# Altium PCB node24.PcbDoc (part 2 of 10) (continued)
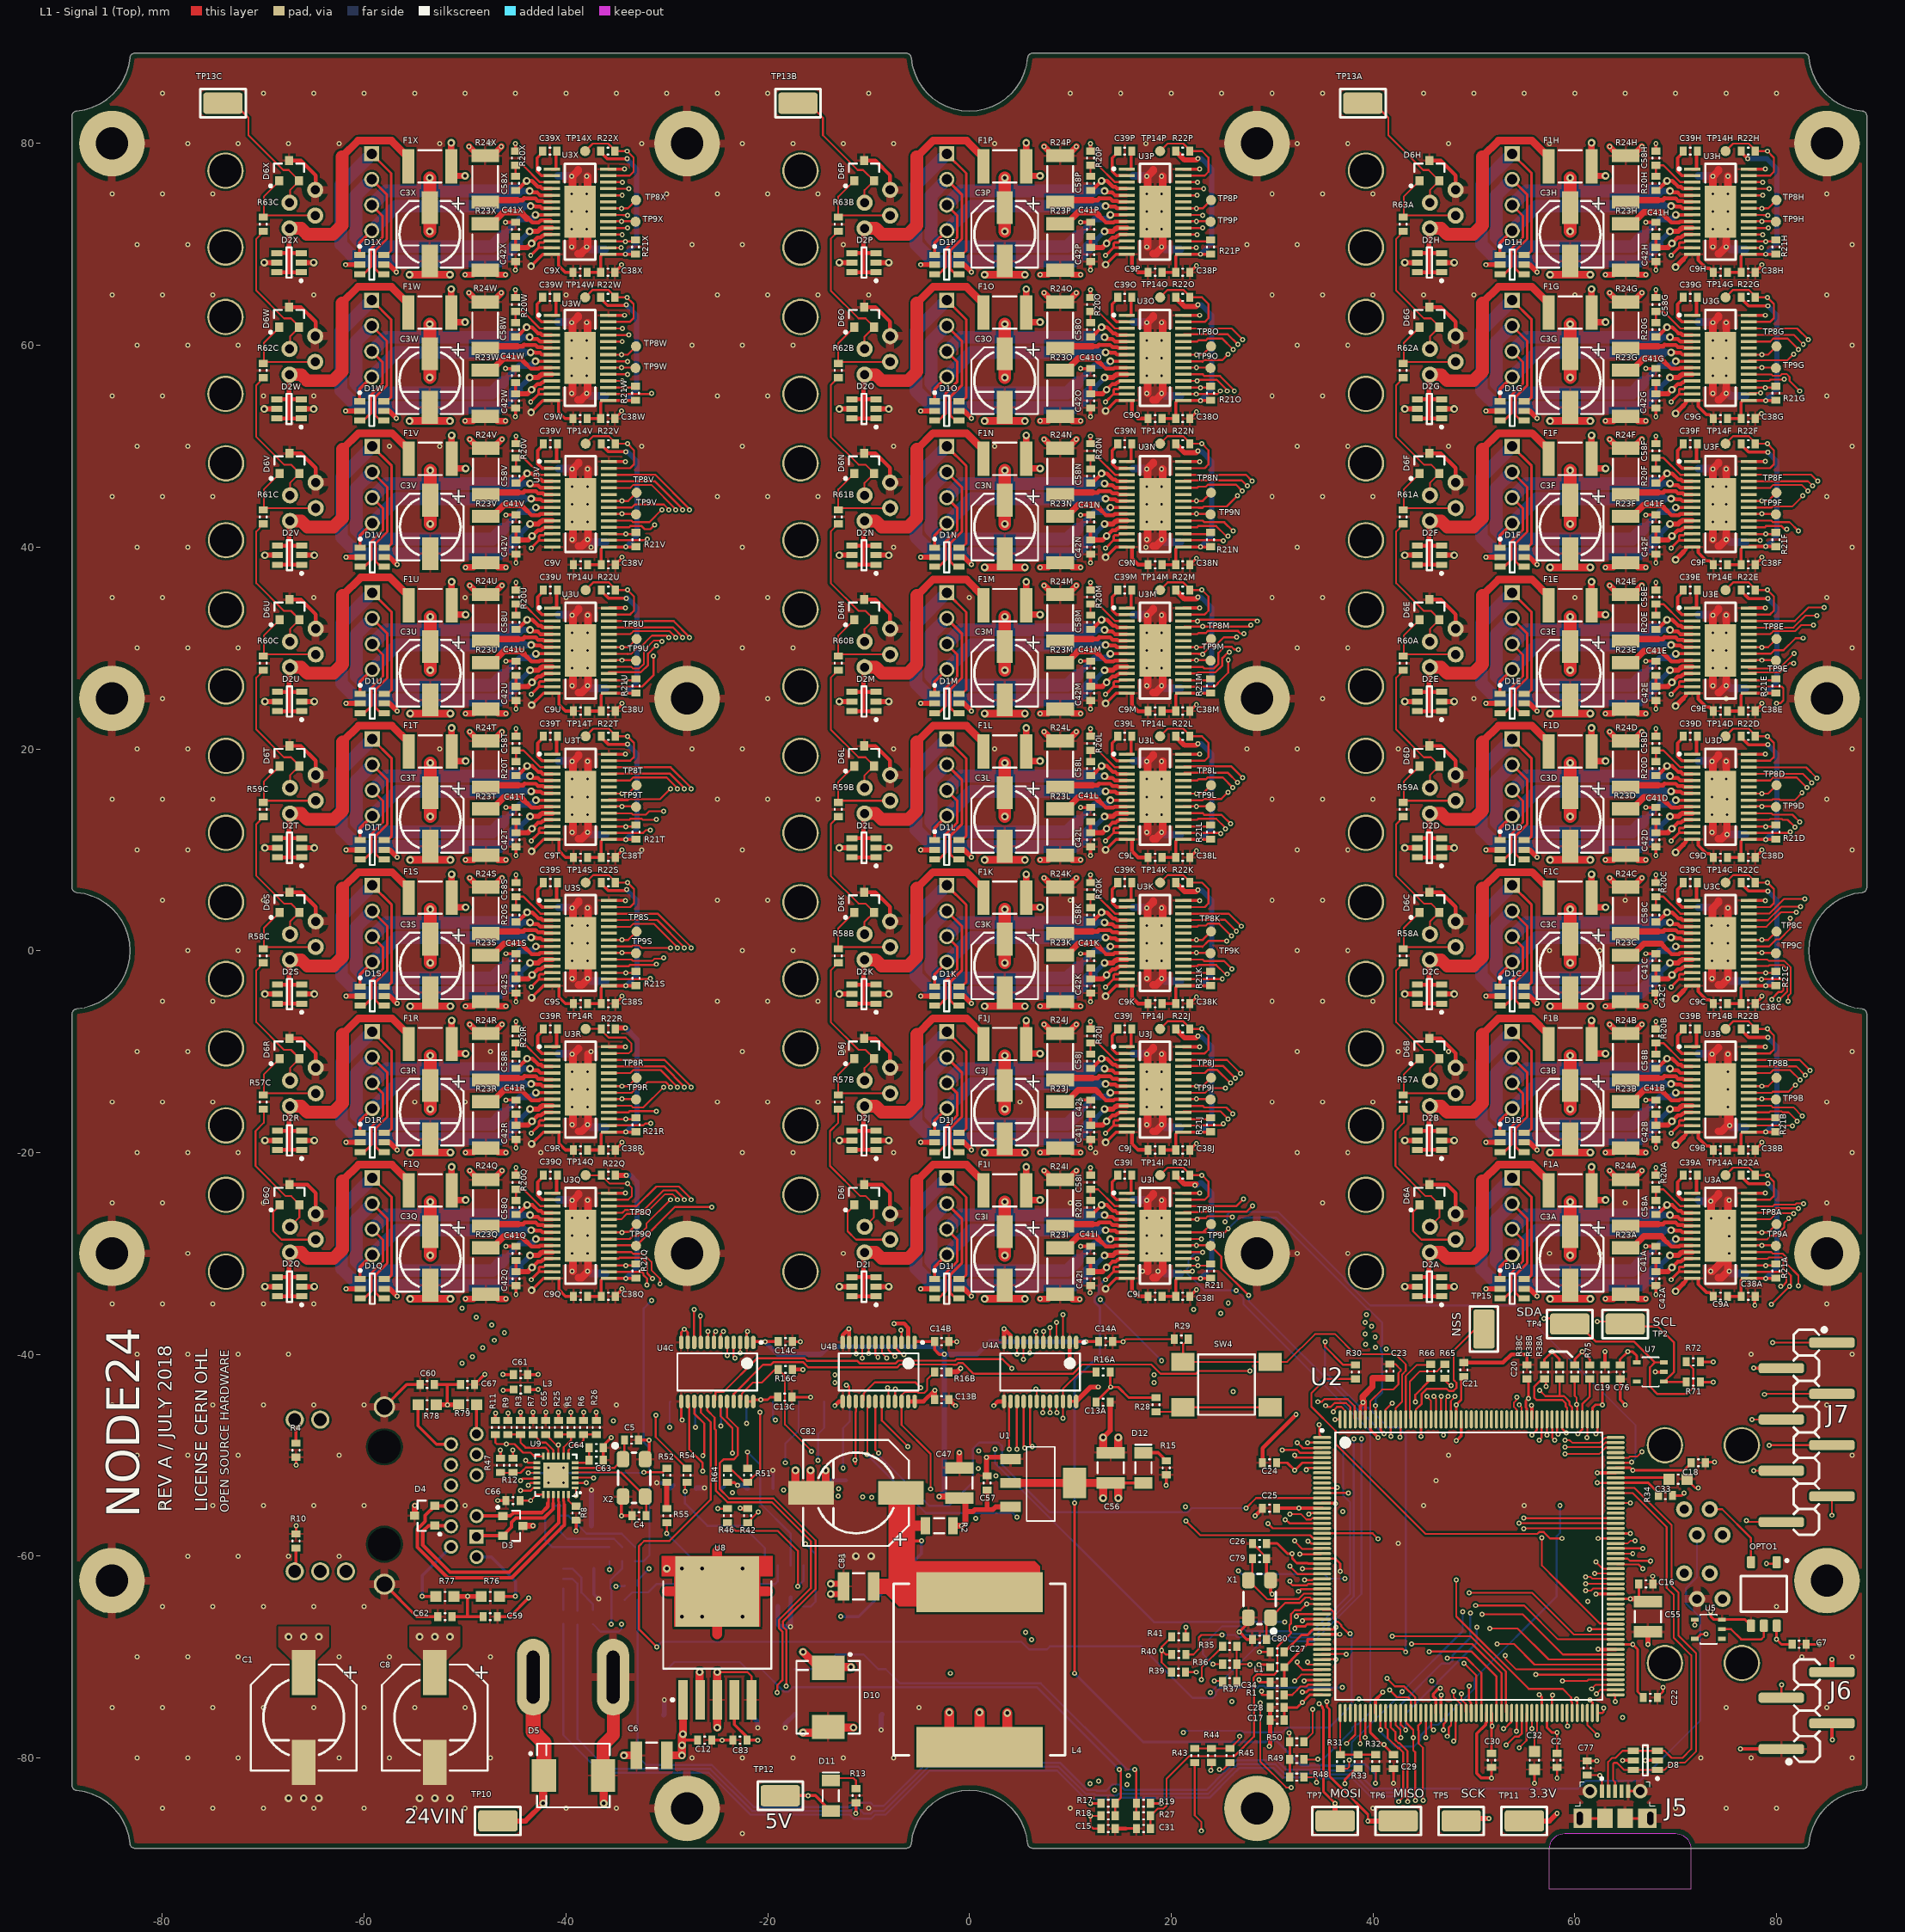
[diagram p0: L1 - Signal 1 (Top) view]
## Components (designator, comment, footprint, x,y, rotation, side; value= is the part's Value field where it differs from the comment) (continued)
R65 "JMP 0603" RESC0603(1608)_L 47.117,-41.688 r270 top value="0.00 Ohm"
R66 "JMP 0603" RESC0603(1608)_L 45.72,-41.688 r270 top value="0.00 Ohm"
R67 "49R9" RESC0603(1608)_L -37.338,-66.04 r270 bottom value="49.90 Ohm"
R68 "49R9" RESC0603(1608)_L -35.687,-59.817 r270 bottom value="49.90 Ohm"
R69 "100R" RESC0603(1608)_L -33.147,-59.817 r90 bottom value="100.00 Ohm"
R70 "220R" RESC0603(1608)_L -34.417,-59.817 r270 bottom value="220.00 Ohm"
R71 "3K3 5% 0603" RESC0603(1608)_L 71.75,-42.75 r0 top value="3300.00 Ohm"
R72 "3K3 5% 0603" RESC0603(1608)_L 71.75,-40.75 r0 top value="3300.00 Ohm"
R73 "100R" RESC0603(1608)_L -38.862,-66.102 r90 bottom value="100.00 Ohm"
R74 "220R" RESC0603(1608)_L -40.259,-66.04 r270 bottom value="220.00 Ohm"
R75 "100K" RESC0603(1608)_L 61.5,-41.75 r90 top value="100000.00 Ohm"
R76 "75R 1% 0603(1608)" RESC0603(1608)_M -47.5,-64 r0 top value=75
R77 "75R 1% 0603(1608)" RESC0603(1608)_M -52,-64 r180 top value=75
R78 "75R 1% 0603(1608)" RESC0603(1608)_M -53.75,-45 r180 top value=75
R79 "75R 1% 0603(1608)" RESC0603(1608)_M -49.75,-45 r0 top value=75
SW1 "SWITCH_CTS_DIP_8BIT_SMD_219-8LPST" SWITCH_DIP_CTS_8-BIT_219-8LPST -20.75,-49 r180 bottom locked
SW2 "SWITCH_CK_TACTILE_SPST_SMD_PTS645SM43SMTR92LFS" SWITCH_CK_TACT_PTS645SM43SMTR92 -26,-73.5 r180 bottom locked
SW3 "SWITCH_CK_TACTILE_SPST_SMD_PTS645SM43SMTR92LFS" SWITCH_CK_TACT_PTS645SM43SMTR92 -13,-73.45 r180 bottom locked
SW4 "SWITCH_CK_TACTILE_SPST_SMD_PTS645SM43SMTR92LFS" SWITCH_CK_TACT_PTS645SM43SMTR92 25.5,-43 r0 top
TP2 "TEST_POINT_KEYSTONE_5019_SMT" TEST_POINT_KEYSTONE_5019 65,-37 r180 top
TP4 "TEST_POINT_KEYSTONE_5019_SMT" TEST_POINT_KEYSTONE_5019 59.5,-37 r180 top
TP5 "TEST_POINT_KEYSTONE_5019_SMT" TEST_POINT_KEYSTONE_5019 48.75,-86.25 r180 top
TP6 "TEST_POINT_KEYSTONE_5019_SMT" TEST_POINT_KEYSTONE_5019 42.5,-86.25 r180 top
TP7 "TEST_POINT_KEYSTONE_5019_SMT" TEST_POINT_KEYSTONE_5019 36.25,-86.25 r0 top
TP8A "STP" TP_1MM 80,-27.1 r90 top (schematic designator TP8)
TP8B "STP" TP_1MM 80,-12.6 r90 top (schematic designator TP8)
TP8C "STP" TP_1MM 80,1.9 r90 top (schematic designator TP8)
TP8D "STP" TP_1MM 80,16.4 r90 top (schematic designator TP8)
TP8E "STP" TP_1MM 80,30.9 r90 top (schematic designator TP8)
TP8F "STP" TP_1MM 80,45.4 r90 top (schematic designator TP8)
TP8G "STP" TP_1MM 80,59.9 r90 top (schematic designator TP8)
TP8H "STP" TP_1MM 80,74.4 r90 top (schematic designator TP8)
TP8I "STP" TP_1MM 23.95,-27.1 r90 top (schematic designator TP8)
TP8J "STP" TP_1MM 23.95,-12.6 r90 top (schematic designator TP8)
TP8K "STP" TP_1MM 23.95,1.9 r90 top (schematic designator TP8)
TP8L "STP" TP_1MM 23.95,16.4 r90 top (schematic designator TP8)
TP8M "STP" TP_1MM 23.95,30.9 r90 top (schematic designator TP8)
TP8N "STP" TP_1MM 23.95,45.4 r90 top (schematic designator TP8)
TP8O "STP" TP_1MM 23.95,59.9 r90 top (schematic designator TP8)
TP8P "STP" TP_1MM 23.95,74.4 r90 top (schematic designator TP8)
TP8Q "STP" TP_1MM -33,-27.1 r90 top (schematic designator TP8)
TP8R "STP" TP_1MM -33,-12.6 r90 top (schematic designator TP8)
TP8S "STP" TP_1MM -33,1.9 r90 top (schematic designator TP8)
TP8T "STP" TP_1MM -33,16.4 r90 top (schematic designator TP8)
TP8U "STP" TP_1MM -33,30.9 r90 top (schematic designator TP8)
TP8V "STP" TP_1MM -33,45.4 r90 top (schematic designator TP8)
TP8W "STP" TP_1MM -33.05,59.9 r90 top (schematic designator TP8)
TP8X "STP" TP_1MM -33.05,74.4 r90 top (schematic designator TP8)
TP9A "DIR" TP_1MM 79.95,-29.25 r90 top (schematic designator TP9)
TP9B "DIR" TP_1MM 79.95,-14.75 r90 top (schematic designator TP9)
TP9C "DIR" TP_1MM 79.95,-0.25 r90 top (schematic designator TP9)
TP9D "DIR" TP_1MM 79.95,14.25 r90 top (schematic designator TP9)
TP9E "DIR" TP_1MM 79.95,28.75 r90 top (schematic designator TP9)
TP9F "DIR" TP_1MM 79.95,43.25 r90 top (schematic designator TP9)
TP9G "DIR" TP_1MM 79.95,57.75 r90 top (schematic designator TP9)
TP9H "DIR" TP_1MM 79.95,72.25 r90 top (schematic designator TP9)
TP9I "DIR" TP_1MM 23.9,-29.25 r90 top (schematic designator TP9)
TP9J "DIR" TP_1MM 23.9,-14.75 r90 top (schematic designator TP9)
TP9K "DIR" TP_1MM 23.9,-0.25 r90 top (schematic designator TP9)
TP9L "DIR" TP_1MM 23.9,14.25 r90 top (schematic designator TP9)
TP9M "DIR" TP_1MM 23.9,28.75 r90 top (schematic designator TP9)
TP9N "DIR" TP_1MM 23.9,43.25 r90 top (schematic designator TP9)
TP9O "DIR" TP_1MM 23.9,57.75 r90 top (schematic designator TP9)
TP9P "DIR" TP_1MM 23.9,72.25 r90 top (schematic designator TP9)
TP9Q "DIR" TP_1MM -33.05,-29.25 r90 top (schematic designator TP9)
TP9R "DIR" TP_1MM -33.05,-14.75 r90 top (schematic designator TP9)
TP9S "DIR" TP_1MM -33.05,-0.25 r90 top (schematic designator TP9)
TP9T "DIR" TP_1MM -33.05,14.25 r90 top (schematic designator TP9)
TP9U "DIR" TP_1MM -33.05,28.75 r90 top (schematic designator TP9)
TP9V "DIR" TP_1MM -33.05,43.25 r90 top (schematic designator TP9)
TP9W "DIR" TP_1MM -33.1,57.75 r90 top (schematic designator TP9)
TP9X "DIR" TP_1MM -33.1,72.25 r90 top (schematic designator TP9)
TP10 "TEST_POINT_KEYSTONE_5019_SMT" TEST_POINT_KEYSTONE_5019 -46.75,-86.25 r180 top
TP11 "TEST_POINT_KEYSTONE_5019_SMT" TEST_POINT_KEYSTONE_5019 55,-86.25 r0 top
TP12 "TEST_POINT_KEYSTONE_5019_SMT" TEST_POINT_KEYSTONE_5019 -18.75,-83.75 r180 top
TP13A "TEST_POINT_KEYSTONE_5019_SMT" TEST_POINT_KEYSTONE_5019 39,84 r0 top (schematic designator TP13)
TP13B "TEST_POINT_KEYSTONE_5019_SMT" TEST_POINT_KEYSTONE_5019 -17,84 r0 top (schematic designator TP13)
TP13C "TEST_POINT_KEYSTONE_5019_SMT" TEST_POINT_KEYSTONE_5019 -74,84 r0 top (schematic designator TP13)
TP14A "HOME" TP_1MM 74.95,-22.25 r0 top (schematic designator TP14)
TP14B "HOME" TP_1MM 74.95,-7.75 r0 top (schematic designator TP14)
TP14C "HOME" TP_1MM 74.95,6.75 r0 top (schematic designator TP14)
TP14D "HOME" TP_1MM 74.95,21.25 r0 top (schematic designator TP14)
TP14E "HOME" TP_1MM 74.95,35.75 r0 top (schematic designator TP14)
TP14F "HOME" TP_1MM 74.95,50.25 r0 top (schematic designator TP14)
TP14G "HOME" TP_1MM 74.95,64.75 r0 top (schematic designator TP14)
TP14H "HOME" TP_1MM 74.95,79.25 r0 top (schematic designator TP14)
TP14I "HOME" TP_1MM 18.9,-22.25 r0 top (schematic designator TP14)
TP14J "HOME" TP_1MM 18.9,-7.75 r0 top (schematic designator TP14)
TP14K "HOME" TP_1MM 18.9,6.75 r0 top (schematic designator TP14)
TP14L "HOME" TP_1MM 18.9,21.25 r0 top (schematic designator TP14)
TP14M "HOME" TP_1MM 18.9,35.75 r0 top (schematic designator TP14)
TP14N "HOME" TP_1MM 18.9,50.25 r0 top (schematic designator TP14)
TP14O "HOME" TP_1MM 18.9,64.75 r0 top (schematic designator TP14)
TP14P "HOME" TP_1MM 18.9,79.25 r0 top (schematic designator TP14)
TP14Q "HOME" TP_1MM -38.05,-22.25 r0 top (schematic designator TP14)
TP14R "HOME" TP_1MM -38.05,-7.75 r0 top (schematic designator TP14)
TP14S "HOME" TP_1MM -38.05,6.75 r0 top (schematic designator TP14)
TP14T "HOME" TP_1MM -38.05,21.25 r0 top (schematic designator TP14)
TP14U "HOME" TP_1MM -38.05,35.75 r0 top (schematic designator TP14)
TP14V "HOME" TP_1MM -38.05,50.25 r0 top (schematic designator TP14)
TP14W "HOME" TP_1MM -38.1,64.75 r0 top (schematic designator TP14)
TP14X "HOME" TP_1MM -38.1,79.25 r0 top (schematic designator TP14)
TP15 "TEST_POINT_KEYSTONE_5019_SMT" TEST_POINT_KEYSTONE_5019 51,-37.5 r90 top
U1 "LD1117S50TR" SOT-223 7.25,-52.75 r0 top
U2 "STM32F765BIT6" QFP208L_B28X28_P0MM5 49.5,-61 r0 top locked
U3A "IC_PMIC_TI_DRV8825PWPR" IC_TSSOP28_0MM65_EP52X31 74.45,-28.25 r0 top (schematic designator U3)
U3B "IC_PMIC_TI_DRV8825PWPR" IC_TSSOP28_0MM65_EP52X31 74.45,-13.75 r0 top (schematic designator U3)
U3C "IC_PMIC_TI_DRV8825PWPR" IC_TSSOP28_0MM65_EP52X31 74.45,0.75 r0 top (schematic designator U3)
U3D "IC_PMIC_TI_DRV8825PWPR" IC_TSSOP28_0MM65_EP52X31 74.45,15.25 r0 top (schematic designator U3)
U3E "IC_PMIC_TI_DRV8825PWPR" IC_TSSOP28_0MM65_EP52X31 74.45,29.75 r0 top (schematic designator U3)
U3F "IC_PMIC_TI_DRV8825PWPR" IC_TSSOP28_0MM65_EP52X31 74.45,44.25 r0 top (schematic designator U3)
U3G "IC_PMIC_TI_DRV8825PWPR" IC_TSSOP28_0MM65_EP52X31 74.45,58.75 r0 top (schematic designator U3)
U3H "IC_PMIC_TI_DRV8825PWPR" IC_TSSOP28_0MM65_EP52X31 74.45,73.25 r0 top (schematic designator U3)
U3I "IC_PMIC_TI_DRV8825PWPR" IC_TSSOP28_0MM65_EP52X31 18.4,-28.25 r0 top (schematic designator U3)
U3J "IC_PMIC_TI_DRV8825PWPR" IC_TSSOP28_0MM65_EP52X31 18.4,-13.75 r0 top (schematic designator U3)
U3K "IC_PMIC_TI_DRV8825PWPR" IC_TSSOP28_0MM65_EP52X31 18.4,0.75 r0 top (schematic designator U3)
U3L "IC_PMIC_TI_DRV8825PWPR" IC_TSSOP28_0MM65_EP52X31 18.4,15.25 r0 top (schematic designator U3)
U3M "IC_PMIC_TI_DRV8825PWPR" IC_TSSOP28_0MM65_EP52X31 18.4,29.75 r0 top (schematic designator U3)
U3N "IC_PMIC_TI_DRV8825PWPR" IC_TSSOP28_0MM65_EP52X31 18.4,44.25 r0 top (schematic designator U3)
U3O "IC_PMIC_TI_DRV8825PWPR" IC_TSSOP28_0MM65_EP52X31 18.4,58.75 r0 top (schematic designator U3)
U3P "IC_PMIC_TI_DRV8825PWPR" IC_TSSOP28_0MM65_EP52X31 18.4,73.25 r0 top (schematic designator U3)
U3Q "IC_PMIC_TI_DRV8825PWPR" IC_TSSOP28_0MM65_EP52X31 -38.55,-28.25 r0 top (schematic designator U3)
U3R "IC_PMIC_TI_DRV8825PWPR" IC_TSSOP28_0MM65_EP52X31 -38.55,-13.75 r0 top (schematic designator U3)
U3S "IC_PMIC_TI_DRV8825PWPR" IC_TSSOP28_0MM65_EP52X31 -38.55,0.75 r0 top (schematic designator U3)
U3T "IC_PMIC_TI_DRV8825PWPR" IC_TSSOP28_0MM65_EP52X31 -38.55,15.25 r0 top (schematic designator U3)
U3U "IC_PMIC_TI_DRV8825PWPR" IC_TSSOP28_0MM65_EP52X31 -38.55,29.75 r0 top (schematic designator U3)
U3V "IC_PMIC_TI_DRV8825PWPR" IC_TSSOP28_0MM65_EP52X31 -38.55,44.25 r0 top (schematic designator U3)
U3W "IC_PMIC_TI_DRV8825PWPR" IC_TSSOP28_0MM65_EP52X31 -38.6,58.75 r0 top (schematic designator U3)
U3X "IC_PMIC_TI_DRV8825PWPR" IC_TSSOP28_0MM65_EP52X31 -38.6,73.25 r0 top (schematic designator U3)
U4A "74LVC4245AD,118" IC_TSSOP-24 7,-41.75 r270 top (schematic designator U4)
U4B "74LVC4245AD,118" IC_TSSOP-24 -9,-41.75 r270 top (schematic designator U4)
U4C "74LVC4245AD,118" IC_TSSOP-24 -25,-41.75 r270 top (schematic designator U4)
U5 "LOGIC_INVERTER_SN74LVC1G14DBVR" SOT-23-5L 73.25,-67.25 r180 top
U7 "IC EEPROM 2K I2C 400KHZ SOT23-5" SOT-23-5L 67.5,-41.75 r180 top
U8 "DCDC_TI_BUCK_REG_5V_3A_40VIN_D2PAK_LM2576SX-5.0/NOPB" D2PAK_TO-263-6 -25,-68 r90 top locked
U9 "LAN8742A-CZ-TR" QFN24_B4X4_P0MM5_EP -41,-52 r180 top
X1 "XTAL_8MHz_4SMD_18PF_20PPM_ECS-80-18-30B-JEM-TR" XTAL_4SMD_5x3mm2 28.75,-64.25 r90 top
X2 "XTAL_25MHz_18PF_4SMD_100PPM_AUTOMOTIVE_ECS-250-18-30BQ-DS" XTAL_4SMD_5x3mm2 -33.25,-52.25 r270 top

## Footprints (in the part's own frame and the unit in brackets; to place one, negate y for a bottom-side part, rotate by r counter-clockwise, add the part's x,y. Pads: shape width x height; smd on the part's side, far side on the other; paste and mask are expansions set on the pad)
0603L [mil] "Bead 0603L"
  rect 30x30 smd: 1(27.5,0) 2(-27.5,0)
  silkscreen extent -2,-16 2,16, body extent -34,-19 34,19, height 24
1210C [mm] "Chip Capacitor, Body 3.2x1.6mm, Height 1mm, IPC Medium Density"
  rect 1.15x2.8 smd: 1(-1.5,0) 2(1.5,0)
  silkscreen extent -0.55,-1.3 0.55,1.3, body extent -1.7,-1.25 1.7,1.25, height 1
BELS-L829-1J1T-43_V [mm] "THD, 19-Leads, Body 23.94x17.58mm, Pitch 2.03mm"
  rect 1.4x1.4 hole 0.89: 1(4.064,-9.144)
  round 1.4 hole 0.89: 2(6.096,-9.144) 3(2.032,-9.144) 4(1.016,-6.604) 5(5.08,-6.604) 6(3.048,-6.604) 7(-1.016,-6.604) 8(-5.08,-6.604) 9(-3.048,-6.604) 10(-4.064,-9.144) 11(-6.096,-9.144) 12(-2.032,-9.144)
  round 1.8 hole 1.27: 13(-7.518,6.35) 14(-7.518,8.89) 15(7.518,3.81) 16(7.518,6.35) 17(7.518,8.89)
  round 2.95 hole 3.25 unplated: MH1(-4.826,0) MH2(4.826,0)
  round 2.1 hole 1.57: S1(-8.788,0) S2(8.788,0)
  silkscreen extent -8.79,-10.8 8.79,13.2, body extent -10.35,-10.8 10.35,13.2, height 12.74
CAP1210 [mm]
  rect 1.15x2.7 smd: 1(-1.501,-0.001) 2(1.499,-0.001)
  silkscreen extent -0.55,-1.25 0.55,1.25, body extent -1.7,-1.4 1.7,1.4, height 1.8
CAPAE_D6MM3 [mm] "Aluminum Electrolytic Capacitor, Body 6.50x6.50x7.70mm, IPC Medium Density"
  rect 3.25x1.6 smd: 1(-2.65,0) 2(2.65,0)
  silkscreen extent -3.3,-3.3 3.3,3.3, body extent -3.3,-3.3 3.3,3.3, height 7.7
CAPAE_D10_BH10MM3 [mm] "Aluminum Electrolytic Capacitor, Body 10.30x10.30x10.30mm, IPC Low Density"
  rect 4.5x2.35 smd: 1(-4.45,0) 2(4.45,0)
  silkscreen extent -5.25,-5.25 5.25,5.25, body extent -5.25,-5.25 5.25,5.25, height 10.3
CAPC0603(1608)100_L [mm] "Chip Capacitor, Body 1.6x0.8mm, Height 1.0mm, IPC High Density"
  rect 0.7x0.9 smd: 1(-0.7,0) 2(0.7,0)
  silkscreen extent -0.05,-0.35 0.05,0.35, body extent -0.87,-0.47 0.88,0.48, height 1
CAPC0603(1608)100_M [mm] "Chip Capacitor, Body 1.6x0.8mm, Height 1.0mm, IPC Low Density"
  rect 1.1x1.1 smd: 1(-0.9,0) 2(0.9,0)
  silkscreen extent -0.05,-0.45 0.05,0.45, body extent -0.87,-0.47 0.88,0.48, height 1
CON_JACK_MOD_4P4C_ASSMANN_A-2014-3-4-N-T-R [mm]
  round 1.6 hole 0.9: 1(1.905,-6.35) 2(0.635,-8.89) 3(-0.635,-6.35) 4(-1.905,-8.89)
  round 3.6 hole 3.2: MECH(-3.81,0) MECH(3.81,0)
  silkscreen extent -7,-10 7,6.5, body extent -7,-10.07 7,6.47, height 16.45
CONN_ANDERSON_POWERPOLE_45_HOUSING_STACKED_RATH [mil]
  oval 125x300 hole 50 slot 206 at 90 deg: 1(0,0) 2(-312,0)
  silkscreen extent 128,-167 1102,167, body extent 128,-167 1096,167, height 679
CONN_MOLEX_USB_MICRO_B_SMD_RA_1050170001 [mm] "USB Micro-B Connector"
  rect 0.4x1.35 smd: 1(-1.3,0) 2(-0.65,0) 3(0,0) 4(0.65,0) 5(1.3,0)
  round 1.45 hole 0.85: 6(-2.5,0) 11(2.5,0)
  rect 1.8x1.9 hole 0.6 slot 1.3 at 90 deg copper offset 0.3,0: 7(-3.5,-2.7)
  rect 1.5x1.9 smd: 8(-1,-2.7) 9(1,-2.7)
  rect 1.8x1.9 hole 0.6 slot 1.3 at 90 deg copper offset -0.3,0: 10(3.5,-2.7)
  silkscreen extent -3.95,-1.46 3.95,1.37, body extent -4.1,-5.21 4.1,0.19, height 2.58
CONN_SAMTEC_HDR_50MIL_10POS_SHRD_SM_SHF-105-01-L-D-SM [mil]
  rrect50% 29x110 smd mask+2: 1(-100,-80) 2(-100,80) 3(-50,-80) 4(-50,80) 5(0,-80) 6(0,80) 7(50,-80) 8(50,80) 9(100,-80) 10(100,80)
  silkscreen extent -250,-124 250,120, body extent -250,-120 250,120, height 218
D2PAK_TO-263-6 [mm] "DPAK, 5-Leads, Body 10.16x8.925mm, Pitch 1.7mm, IPC High Density"
  rect 3.9x0.95 smd: 1(-6.25,3.4) 2(-6.25,1.7) 3(-6.25,0) 4(-6.25,-1.7) 5(-6.25,-3.4)
  rect 7x8.33 smd: 6(4.5,0)
  L1 - Signal 1 (Top) region: 8,5.5 6,5.5 6,4.25 1,4.25 1,-4.25 6,-4.25 6,-5.5 8,-5.5
  L1 - Signal 1 (Top) region: 8,-6.75
  silkscreen extent -6.37,-5.35 5.5,5.35, body extent -7.76,-5.1 7.66,5.1, height 4.67
DIODE_SMC [mm] "Molded Diode, 2-Leads, Body 7.10x6.20mm, IPC Medium Density"
  rect 2.4x3.25 smd: 1(-2.925,0) 2(2.925,0)
  silkscreen extent -3.6,-3.15 4.37,3.15, body extent -3.97,-2.95 3.98,2.95, height 2.31
FUSE_1812 [mm] "Chip Resistor, 2-Leads, Body 4.55x3.24mm, IPC Medium Density"
  rect 1.2x3.4 smd: 1(-2.125,0) 2(2.125,0)
  silkscreen extent -1.15,-1.6 1.15,1.6, body extent -2.36,-1.74 2.37,1.74, height 1.03
HDR_1x4_2R54_V_M [mm] "Male Header, Pitch 2.54mm, 4x1 Position, Mated Height 6mm, Tail Length 3mm"
  rect 1.5x1.5 hole 1.02: 1(0,0)
  round 1.5 hole 1.02: 2(2.54,0) 3(5.08,0) 4(7.62,0)
  silkscreen extent -1.27,-1.27 8.89,1.76, body extent -1.27,-1.27 8.89,1.27, height 9
HDR_1X4_2R54_V_M_SMT [mm]
  rrect50% 4.506x1 smd: 1(2.54,3.81) 2(-2.48,1.27) 3(2.54,-1.27) 4(-2.48,-3.81)
  silkscreen extent -1.27,-5.08 1.96,5.26, body extent -3.75,-5.09 3.75,5.07, height 9.92
HDR_1X8_2R54_V_M_SMT [mm]
  rrect50% 4.506x1 smd: 1(2.54,8.89) 2(-2.48,6.35) 3(2.54,3.81) 4(-2.48,1.27) 5(2.54,-1.27) 6(-2.48,-3.81) 7(2.54,-6.35) 8(-2.48,-8.89)
  silkscreen extent -1.27,-10.16 1.96,10.34, body extent -3.69,-10.16 3.81,10.16, height 9.93
IC_TSSOP28_0MM65_EP52X31 [mm]
  rect 1.6x0.3 smd: 1(-2.8,4.225) 2(-2.8,3.575) 3(-2.8,2.925) 4(-2.8,2.275) 5(-2.8,1.625) 6(-2.8,0.975) 7(-2.8,0.325) 8(-2.8,-0.325) 9(-2.8,-0.975) 10(-2.8,-1.625) 11(-2.8,-2.275) 12(-2.8,-2.925) 13(-2.8,-3.575) 14(-2.8,-4.225) 15(2.8,-4.225) 16(2.8,-3.575) 17(2.8,-2.925) 18(2.8,-2.275) 19(2.8,-1.625) 20(2.8,-0.975) 21(2.8,-0.325) 22(2.8,0.325) 23(2.8,0.975) 24(2.8,1.625) 25(2.8,2.275) 26(2.8,2.925) 27(2.8,3.575) 28(2.8,4.225)
  rect 3.1x5.18 smd: 29(0,0)
  silkscreen extent -4.22,-4.75 1.5,4.75, body extent -3.2,-4.85 3.2,4.85, height 1.2
IC_TSSOP-24 [mm] "TSOP, 24-Leads, Body 7.80x4.40mm, Pitch 0.65mm, IPC Medium Density"
  oval 1.35x0.45 smd: 1(-2.925,3.575) 2(-2.925,2.925) 3(-2.925,2.275) 4(-2.925,1.625) 5(-2.925,0.975) 6(-2.925,0.325) 7(-2.925,-0.325) 8(-2.925,-0.975) 9(-2.925,-1.625) 10(-2.925,-2.275) 11(-2.925,-2.925) 12(-2.925,-3.575) 13(2.925,-3.575) 14(2.925,-2.925) 15(2.925,-2.275) 16(2.925,-1.625) 17(2.925,-0.975) 18(2.925,-0.325) 19(2.925,0.325) 20(2.925,0.975) 21(2.925,1.625) 22(2.925,2.275) 23(2.925,2.925) 24(2.925,3.575)
  silkscreen extent -3.05,-3.95 1.85,4.47, body extent -3.2,-3.9 3.2,3.9, height 1.2
IND_17MM_SMT [mm]
  rect 4x12.5 smd: 1(-7.675,0) 2(7.675,0)
  silkscreen extent -8.5,-8.5 8.5,8.5, body extent -9,-8.5 9,8.5, height 7
LED_6PLCC_RGB [mm] "Leaded Chip Carrier, 8-Leads, Body 3.55x3.50mm, Pitch 1.000mm, IPC Medium Density"
  oval 1.3x0.7 smd: 1(-1.525,1) 2(-1.525,0) 3(-1.525,-1) 4(1.525,-1) 5(1.525,0) 6(1.525,1)
  silkscreen extent -2.38,-1.75 1.75,1.87, body extent -1.75,-1.75 1.75,1.75, height 2.9
LED_1206 [mm] "Chip Capacitor, Body 3.2x1.6mm, Height 1mm, IPC Medium Density"
  rect 1.15x1.8 smd: 1(-1.5,0) 2(1.5,0)
  silkscreen extent -0.55,-0.8 2.3,0.8, body extent -1.55,-0.79 1.65,0.81, height 1.1
QFN24_B4X4_P0MM5_EP [mm] "SQFN 24 Pins, Pitch 0.5mm, 4mmx4mm"
  rrect20% 0.69x0.28 smd: 1(-1.9,1.25) 2(-1.9,0.75) 3(-1.9,0.25) 4(-1.9,-0.25) 5(-1.9,-0.75) 6(-1.9,-1.25) 13(1.9,-1.25) 14(1.9,-0.75) 15(1.9,-0.25) 16(1.9,0.25) 17(1.9,0.75) 18(1.9,1.25)
  rrect20% 0.28x0.69 smd: 7(-1.25,-1.9) 8(-0.75,-1.9) 9(-0.25,-1.9) 10(0.25,-1.9) 11(0.75,-1.9) 12(1.25,-1.9) 19(1.25,1.9) 20(0.75,1.9) 21(0.25,1.9) 22(-0.25,1.9) 23(-0.75,1.9) 24(-1.25,1.9)
  rect 2.5x2.5 smd: 25(0,0)
  silkscreen extent -2.46,-2.05 2.05,2.05, body extent -2.05,-2.05 2.05,2.05, height 1
QFP208L_B28X28_P0MM5 [mm]
  oval 1.8x0.3 smd: 1(-14.55,12.75) 2(-14.55,12.25) 3(-14.55,11.75) 4(-14.55,11.25) 5(-14.55,10.75) 6(-14.55,10.25) 7(-14.55,9.75) 8(-14.55,9.25) 9(-14.55,8.75) 10(-14.55,8.25) 11(-14.55,7.75) 12(-14.55,7.25) 13(-14.55,6.75) 14(-14.55,6.25) 15(-14.55,5.75) 16(-14.55,5.25) 17(-14.55,4.75) 18(-14.55,4.25) 19(-14.55,3.75) 20(-14.55,3.25) 21(-14.55,2.75) 22(-14.55,2.25) 23(-14.55,1.75) 24(-14.55,1.25) 25(-14.55,0.75) 26(-14.55,0.25) 27(-14.55,-0.25) 28(-14.55,-0.75) 29(-14.55,-1.25) 30(-14.55,-1.75) 31(-14.55,-2.25) 32(-14.55,-2.75) 33(-14.55,-3.25) 34(-14.55,-3.75) 35(-14.55,-4.25) 36(-14.55,-4.75) 37(-14.55,-5.25) 38(-14.55,-5.75) 39(-14.55,-6.25) 40(-14.55,-6.75) 41(-14.55,-7.25) 42(-14.55,-7.75) 43(-14.55,-8.25) 44(-14.55,-8.75) 45(-14.55,-9.25) 46(-14.55,-9.75) 47(-14.55,-10.25) 48(-14.55,-10.75) 49(-14.55,-11.25) 50(-14.55,-11.75) 51(-14.55,-12.25) 52(-14.55,-12.75) 105(14.55,-12.75) 106(14.55,-12.25) 107(14.55,-11.75) 108(14.55,-11.25) 109(14.55,-10.75) 110(14.55,-10.25) 111(14.55,-9.75) 112(14.55,-9.25) 113(14.55,-8.75) 114(14.55,-8.25) 115(14.55,-7.75) 116(14.55,-7.25) 117(14.55,-6.75) 118(14.55,-6.25) 119(14.55,-5.75) 120(14.55,-5.25) 121(14.55,-4.75) 122(14.55,-4.25) 123(14.55,-3.75) 124(14.55,-3.25) 125(14.55,-2.75) 126(14.55,-2.25) 127(14.55,-1.75) 128(14.55,-1.25) 129(14.55,-0.75) 130(14.55,-0.25) 131(14.55,0.25) 132(14.55,0.75) 133(14.55,1.25) 134(14.55,1.75) 135(14.55,2.25) 136(14.55,2.75) 137(14.55,3.25) 138(14.55,3.75) 139(14.55,4.25) 140(14.55,4.75) 141(14.55,5.25) 142(14.55,5.75) 143(14.55,6.25) 144(14.55,6.75) 145(14.55,7.25) 146(14.55,7.75) 147(14.55,8.25) 148(14.55,8.75) 149(14.55,9.25) 150(14.55,9.75) 151(14.55,10.25) 152(14.55,10.75) 153(14.55,11.25) 154(14.55,11.75) 155(14.55,12.25) 156(14.55,12.75)
  oval 0.3x1.8 smd: 53(-12.75,-14.55) 54(-12.25,-14.55) 55(-11.75,-14.55) 56(-11.25,-14.55) 57(-10.75,-14.55) 58(-10.25,-14.55) 59(-9.75,-14.55) 60(-9.25,-14.55) 61(-8.75,-14.55) 62(-8.25,-14.55) 63(-7.75,-14.55) 64(-7.25,-14.55) 65(-6.75,-14.55) 66(-6.25,-14.55) 67(-5.75,-14.55) 68(-5.25,-14.55) 69(-4.75,-14.55) 70(-4.25,-14.55) 71(-3.75,-14.55) 72(-3.25,-14.55) 73(-2.75,-14.55) 74(-2.25,-14.55) 75(-1.75,-14.55) 76(-1.25,-14.55) 77(-0.75,-14.55) 78(-0.25,-14.55) 79(0.25,-14.55) 80(0.75,-14.55) 81(1.25,-14.55) 82(1.75,-14.55) 83(2.25,-14.55) 84(2.75,-14.55) 85(3.25,-14.55) 86(3.75,-14.55) 87(4.25,-14.55) 88(4.75,-14.55) 89(5.25,-14.55) 90(5.75,-14.55) 91(6.25,-14.55) 92(6.75,-14.55) 93(7.25,-14.55) 94(7.75,-14.55) 95(8.25,-14.55) 96(8.75,-14.55) 97(9.25,-14.55) 98(9.75,-14.55) 99(10.25,-14.55) 100(10.75,-14.55) 101(11.25,-14.55) 102(11.75,-14.55) 103(12.25,-14.55) 104(12.75,-14.55) 157(12.75,14.55) 158(12.25,14.55) 159(11.75,14.55) 160(11.25,14.55) 161(10.75,14.55) 162(10.25,14.55) 163(9.75,14.55) 164(9.25,14.55) 165(8.75,14.55) 166(8.25,14.55) 167(7.75,14.55) 168(7.25,14.55) 169(6.75,14.55) 170(6.25,14.55) 171(5.75,14.55) 172(5.25,14.55) 173(4.75,14.55) 174(4.25,14.55) 175(3.75,14.55) 176(3.25,14.55) 177(2.75,14.55) 178(2.25,14.55) 179(1.75,14.55) 180(1.25,14.55) 181(0.75,14.55) 182(0.25,14.55) 183(-0.25,14.55) 184(-0.75,14.55) 185(-1.25,14.55) 186(-1.75,14.55) 187(-2.25,14.55) 188(-2.75,14.55) 189(-3.25,14.55) 190(-3.75,14.55) 191(-4.25,14.55) 192(-4.75,14.55) 193(-5.25,14.55) 194(-5.75,14.55) 195(-6.25,14.55) 196(-6.75,14.55) 197(-7.25,14.55) 198(-7.75,14.55) 199(-8.25,14.55) 200(-8.75,14.55) 201(-9.25,14.55) 202(-9.75,14.55) 203(-10.25,14.55) 204(-10.75,14.55) 205(-11.25,14.55) 206(-11.75,14.55) 207(-12.25,14.55) 208(-12.75,14.55)
  silkscreen extent -14.67,-13.25 13.25,13.57, body extent -14,-14 14,14, height 1.6
RES2010N [mm] "Chip Resistor, 2-Leads, Body 5.00x2.54mm, IPC Medium Density"
  rect 1.3x2.75 smd: 1(-2.3,0) 2(2.3,0)
  silkscreen extent -1.25,-1.27 1.25,1.28, body extent -2.6,-1.37 2.6,1.37, height 0.75
RESC0603(1608)_L [mm] "Chip Resistor, Body 1.6x0.8mm, IPC High Density"
  rect 0.7x0.9 smd: 1(-0.7,0) 2(0.7,0)
  silkscreen extent -0.05,-0.35 0.05,0.35, body extent -0.85,-0.47 0.85,0.47, height 0.6
RESC0603(1608)_M [mm] "Chip Resistor, Body 1.6x0.8mm, IPC Low Density"
  rect 1.1x1.1 smd: 1(-0.9,0) 2(0.9,0)
  silkscreen extent -0.05,-0.45 0.05,0.45, body extent -0.85,-0.47 0.85,0.47, height 0.6
RESC1206(3216)_L [mm] "Chip Resistor, Body 3.2x1.6mm, IPC High Density"
  rect 0.95x1.7 smd: 1(-1.35,0) 2(1.35,0)
  silkscreen extent -0.5,-0.75 0.5,0.75, body extent -1.67,-0.87 1.67,0.87, height 0.75
SO-5 [mm]
  rrect25% 0.8x1.2 smd: 1(-1.27,-3.15) 3(1.27,-3.15) 4(1.27,3.15) 5(0,3.15) 6(-1.27,3.15)
  silkscreen extent -2.39,-3.4 2.29,1.78, body extent -2.26,-3.32 2.29,3.32, height 2.09
SOT23-6L [mm]
  rect 1.1x0.6 smd: 1(-1.2,0.95) 2(-1.2,0) 3(-1.2,-0.95) 4(1.2,-0.95) 5(1.2,0) 6(1.2,0.95)
  silkscreen extent -1.32,-1.5 0.25,1.92, body extent -0.86,-1.51 0.87,1.52, height 1.25
SOT-23 [mm]
  rect 0.8x0.9 smd: 1(-0.98,-1) 2(0.98,-1) 3(0,1)
  silkscreen extent -1.95,-1.62 1.5,0.7, body extent -1.52,-0.7 1.52,0.7, height 1.11
SOT-23-5L [mil] "Enhanced single channel power switches"
  rect 30x16 smd: 1(-53.15,37.4) 2(-53.15,0) 3(-53.15,-37.4) 4(53.15,-37.4) 5(53.15,37.4)
  silkscreen extent -33,-58 32,57, body extent -34,-59 34,59, height 57
SOT-223 [mil] "Adjustable and fixed low drop positive voltage regulator"
  rect 80x40 smd: 1(-125,93) 2(-125,0) 3(-125,-93)
  rect 90x120 smd: 4(125,0)
  silkscreen extent -62,-149 48,141, body extent -84,-132 62,132, height 71
SWITCH_CK_TACT_PTS645SM43SMTR92 [mm] "Surface Mounting Type Tact Switch, 4-Leads, Body 6x6mm, Height 4.5mm,Blue"
  rect 2.3x1.8 smd: 1(-4.325,2.25) 2(4.325,2.25) 3(-4.325,-2.25) 4(4.325,-2.25)
  silkscreen extent -2.83,-3 2.81,3, body extent -3,-3 3,3, height 4.3
SWITCH_DIP_CTS_8-BIT_219-8LPST [mm]
  rect 1.12x2.44 smd: 1(-8.89,-4.3) 2(-6.35,-4.3) 3(-3.81,-4.3) 4(-1.27,-4.3) 5(1.27,-4.3) 6(3.81,-4.3) 7(6.35,-4.3) 8(8.89,-4.3) 9(8.89,4.3) 10(6.35,4.3) 11(3.81,4.3) 12(1.27,4.3) 13(-1.27,4.3) 14(-3.81,4.3) 15(-6.35,4.3) 16(-8.89,4.3)
  silkscreen extent -11.25,-4.92 11.25,3.75, body extent -11.15,-4.66 11.15,4.66, height 4.45
TEST_POINT_KEYSTONE_5019 [mm]
  rrect25% 3.9x2.1 smd: 1(0,0)
  silkscreen extent -2.25,-1.4 2.25,1.4, body extent -1.9,-1.02 1.91,1.02, height 2.29
TP_1MM [mm] "Testpoint, Surface Mounting, Circular, Pad Diameter 1mm"
  round 1 smd: 1(0,0)
XTAL_4SMD_5x3mm2 [mm]
  rrect50% 1.6x1.25 smd: 1(-1.85,-1.1) 2(1.85,-1.1) 3(1.85,1.1) 4(-1.85,1.1)
  silkscreen extent -3.33,-1.6 2.5,1.6, body extent -2.5,-1.6 2.5,1.6, height 0.85

## Part data
C1 C8: library part CAP_ALUM_220UF_10MM_UWT1H221MNL1GS, "CAP ALUM 220UF 20% 50V SMD", Capacitance=220uF, Case/Package=SMD/SMT, Dielectric Material=Aluminium, Leakage Current=3uA, Manufacturer=Nichicon, Manufacturer Part Number=UWT1H221MNL1GS, Package Quantity=500, Ripple Current=220mA, Supplier Part Number 1=493-2228-6-ND, Temperature=-55~105C, Tolerance=20%, Voltage=50V, Componentlink1description=https://datasheet.ciiva.com/7781/e-wt-7781462.pdf, Componentlink1url=https://datasheet.ciiva.com/7781/e-wt-7781462.pdf, Componentlink2description=https://datasheet.ciiva.com/11686/e-wt-11686311.pdf, Componentlink2url=https://datasheet.ciiva.com/11686/e-wt-11686311.pdf, ComponentLink3Description=https://datasheet.ciiva.com/97/e-wt-97496.pdf, ComponentLink3URL=https://datasheet.ciiva.com/97/e-wt-97496.pdf, ComponentLink4Description=https://datasheet.ciiva.com/97/e-wt-97497.pdf, ComponentLink4URL=https://datasheet.ciiva.com/97/e-wt-97497.pdf, ComponentLink5Description=https://datasheet.ciiva.com/97/e-wt-97498.pdf, ComponentLink5URL=https://datasheet.ciiva.com/97/e-wt-97498.pdf, ComponentLink6Description=https://datasheet.ciiva.com/28458/1910938-28458474.pdf, ComponentLink6URL=https://datasheet.ciiva.com/28458/1910938-28458474.pdf, ComponentLink7Description=https://datasheet.ciiva.com/17526/e-wt-17526124.pdf, ComponentLink7URL=https://datasheet.ciiva.com/17526/e-wt-17526124.pdf, ComponentLink8Description=https://datasheet.ciiva.com/16502/e-wt-16502942.pdf, ComponentLink8URL=https://datasheet.ciiva.com/16502/e-wt-16502942.pdf, Diameter=10mm, Dissipation Factor=0.14%, Height=10mm, Height - Seated (Max)=0.394inch, Lead Free="Lead Free", Lead Pitch=4.5mm, Length=10mm, Life (Hours)=1000Hour, Mount="Surface Mount", Number of Pins=2, Packaging="Tape and Reel", Pricing 1="1=0.66, 10=0.464, 100=0.3058 (USD)", Radiation Hardening=No, REACH SVHC="No SVHC", Ripple Current (AC)=220mA, Stock 1=57237, Supplier 1=Digi-Key, Termination=SMD/SMT, Voltage Rating=50V, Voltage Rating (DC)=50V
C2 C7 C9A C9B C9C C9D C9E C9F C9G C9H C9I C9J C9K C9L C9M C9N C9O C9P C9Q C9R C9S C9T C9U C9V C9W C9X C12 C13A C13B C13C C14A C14B C14C C15 C16 C17 C18 C19 C20 C21 C22 C23 C24 C25 C26 C27 C28 C29 C30 C31 C34 C41A C41B C41C C41D C41E C41F C41G C41H C41I C41J C41K C41L C41M C41N C41O C41P C41Q C41R C41S C41T C41U C41V C41W C41X C42A C42B C42C C42D C42E C42F C42G C42H C42I C42J C42K C42L C42M C42N C42O C42P C42Q C42R C42S C42T C42U C42V C42W C42X C57 C58A C58B C58C C58D C58E C58F C58G C58H C58I C58J C58K C58L C58M C58N C58O C58P C58Q C58R C58S C58T C58U C58V C58W C58X C59 C60 C62 C65 C66 C67 C76 C77 C83: library part CMP-1035-02593-1, "CAP 100nF 50V ±20% 0603 (1608 Metric) Thickness 1mm SMD", Case-EIA=0603, Case-Metric=1608, Rated Voltage="50 V", Tolerance=±20%, Max Thickness="1 mm", Technology=SMT
C3A C3B C3C C3D C3E C3F C3G C3H C3I C3J C3K C3L C3M C3N C3O C3P C3Q C3R C3S C3T C3U C3V C3W C3X: "WURTH ELEKTRONIK         865080545012             SMD Aluminium Electrolytic Capacitor, Radial Can - SMD, 100 F, 35 V, WCAP-ASLI Series", Capacitance=100uF, Case/Package=Radial, Manufacturer="Wurth Electronics", Manufacturer Part Number=865080545012, Max Operating Temperature=105°C, Min Operating Temperature=-55°C, Ripple Current (AC)=300mA, Supplier Part Number 1=732-8511-6-ND, Voltage Rating=35V, Componentlink1description=http://www.farnell.com/datasheets/1880164.pdf, Componentlink1url=http://www.farnell.com/datasheets/1880164.pdf, Componentlink2description=http://katalog.we-online.de/pbs/datasheet/865080545012.pdf, Componentlink2url=http://katalog.we-online.de/pbs/datasheet/865080545012.pdf, Diameter=6.3mm, Height=7.7mm, Life (Hours)=2000Hour, Packaging="Cut Tape", Pricing 1="1=0.33, 50=0.278, 100=0.242, 250=0.215 (USD)", REACH SVHC=Unknown, Stock 1=5637, Supplier 1=Digi-Key, Voltage Rating (DC)=35V
C4 C5 C79 C80: library part CMP-1035-00888-1, "CAP 27pF 50V ±5% 0603 (1608 Metric) Thickness 1mm SMD", Case-EIA=0603, Case-Metric=1608, Rated Voltage="50 V", Tolerance=±5%, Max Thickness="1 mm", Technology=SMT
C6: "10µF 50V Ceramic Capacitor X7R 1210 (3225 Metric) 0.126\" L x 0.098\" W (3.20mm x 2.50mm)", Capacitance=10uF, Case/Package=1210, Case Code (Metric)=3225, Manufacturer=Murata, Manufacturer Part Number=GRJ32ER71H106KE11L, Max Operating Temperature=125°C, Min Operating Temperature=-55°C, Supplier Part Number 1=490-10961-1-ND, Tolerance=10%, Voltage Rating=50V, Case Code (Imperial)=1210, Componentlink1description=http://search.murata.co.jp/Ceramy/image/img/A01X/partnumbering_e_01.pdf, Componentlink1url=http://search.murata.co.jp/Ceramy/image/img/A01X/partnumbering_e_01.pdf, Componentlink2description=https://www.murata.com/~/media/webrenewal/support/library/catalog/products/k70e.ashx, Componentlink2url=https://www.murata.com/~/media/webrenewal/support/library/catalog/products/k70e.ashx, Length=0.126inch, Mount="Surface Mount", Packaging="Tape and Reel", Pricing 1="1=1.03, 10=0.785, 100=0.5615, 500=0.4347 (USD)", Stock 1=10000, Supplier 1=Digi-Key, Thickness=0.11inch, Width=0.098inch
C32 C33: library part CMP-1035-02755-1, "CAP 2.2uF 6.3V ±20% 0603 (1608 Metric) Thickness 1mm SMD", Case-EIA=0603, Case-Metric=1608, Rated Voltage="6.3 V", Tolerance=±20%, Max Thickness="1 mm", Technology=SMT